# Altium PCB PCB.PcbDoc (part 2 of 3)
Units mm, origin at the board's own origin, x right, y up, seen from the top; angles counter-clockwise.
Board outline 100 x 100 mm, 4 copper layers (Top Layer, GND, Power, Bottom Layer), stack 1.49 mm thick; 258 components, 107 nets, 636 pads, 1174 vias.
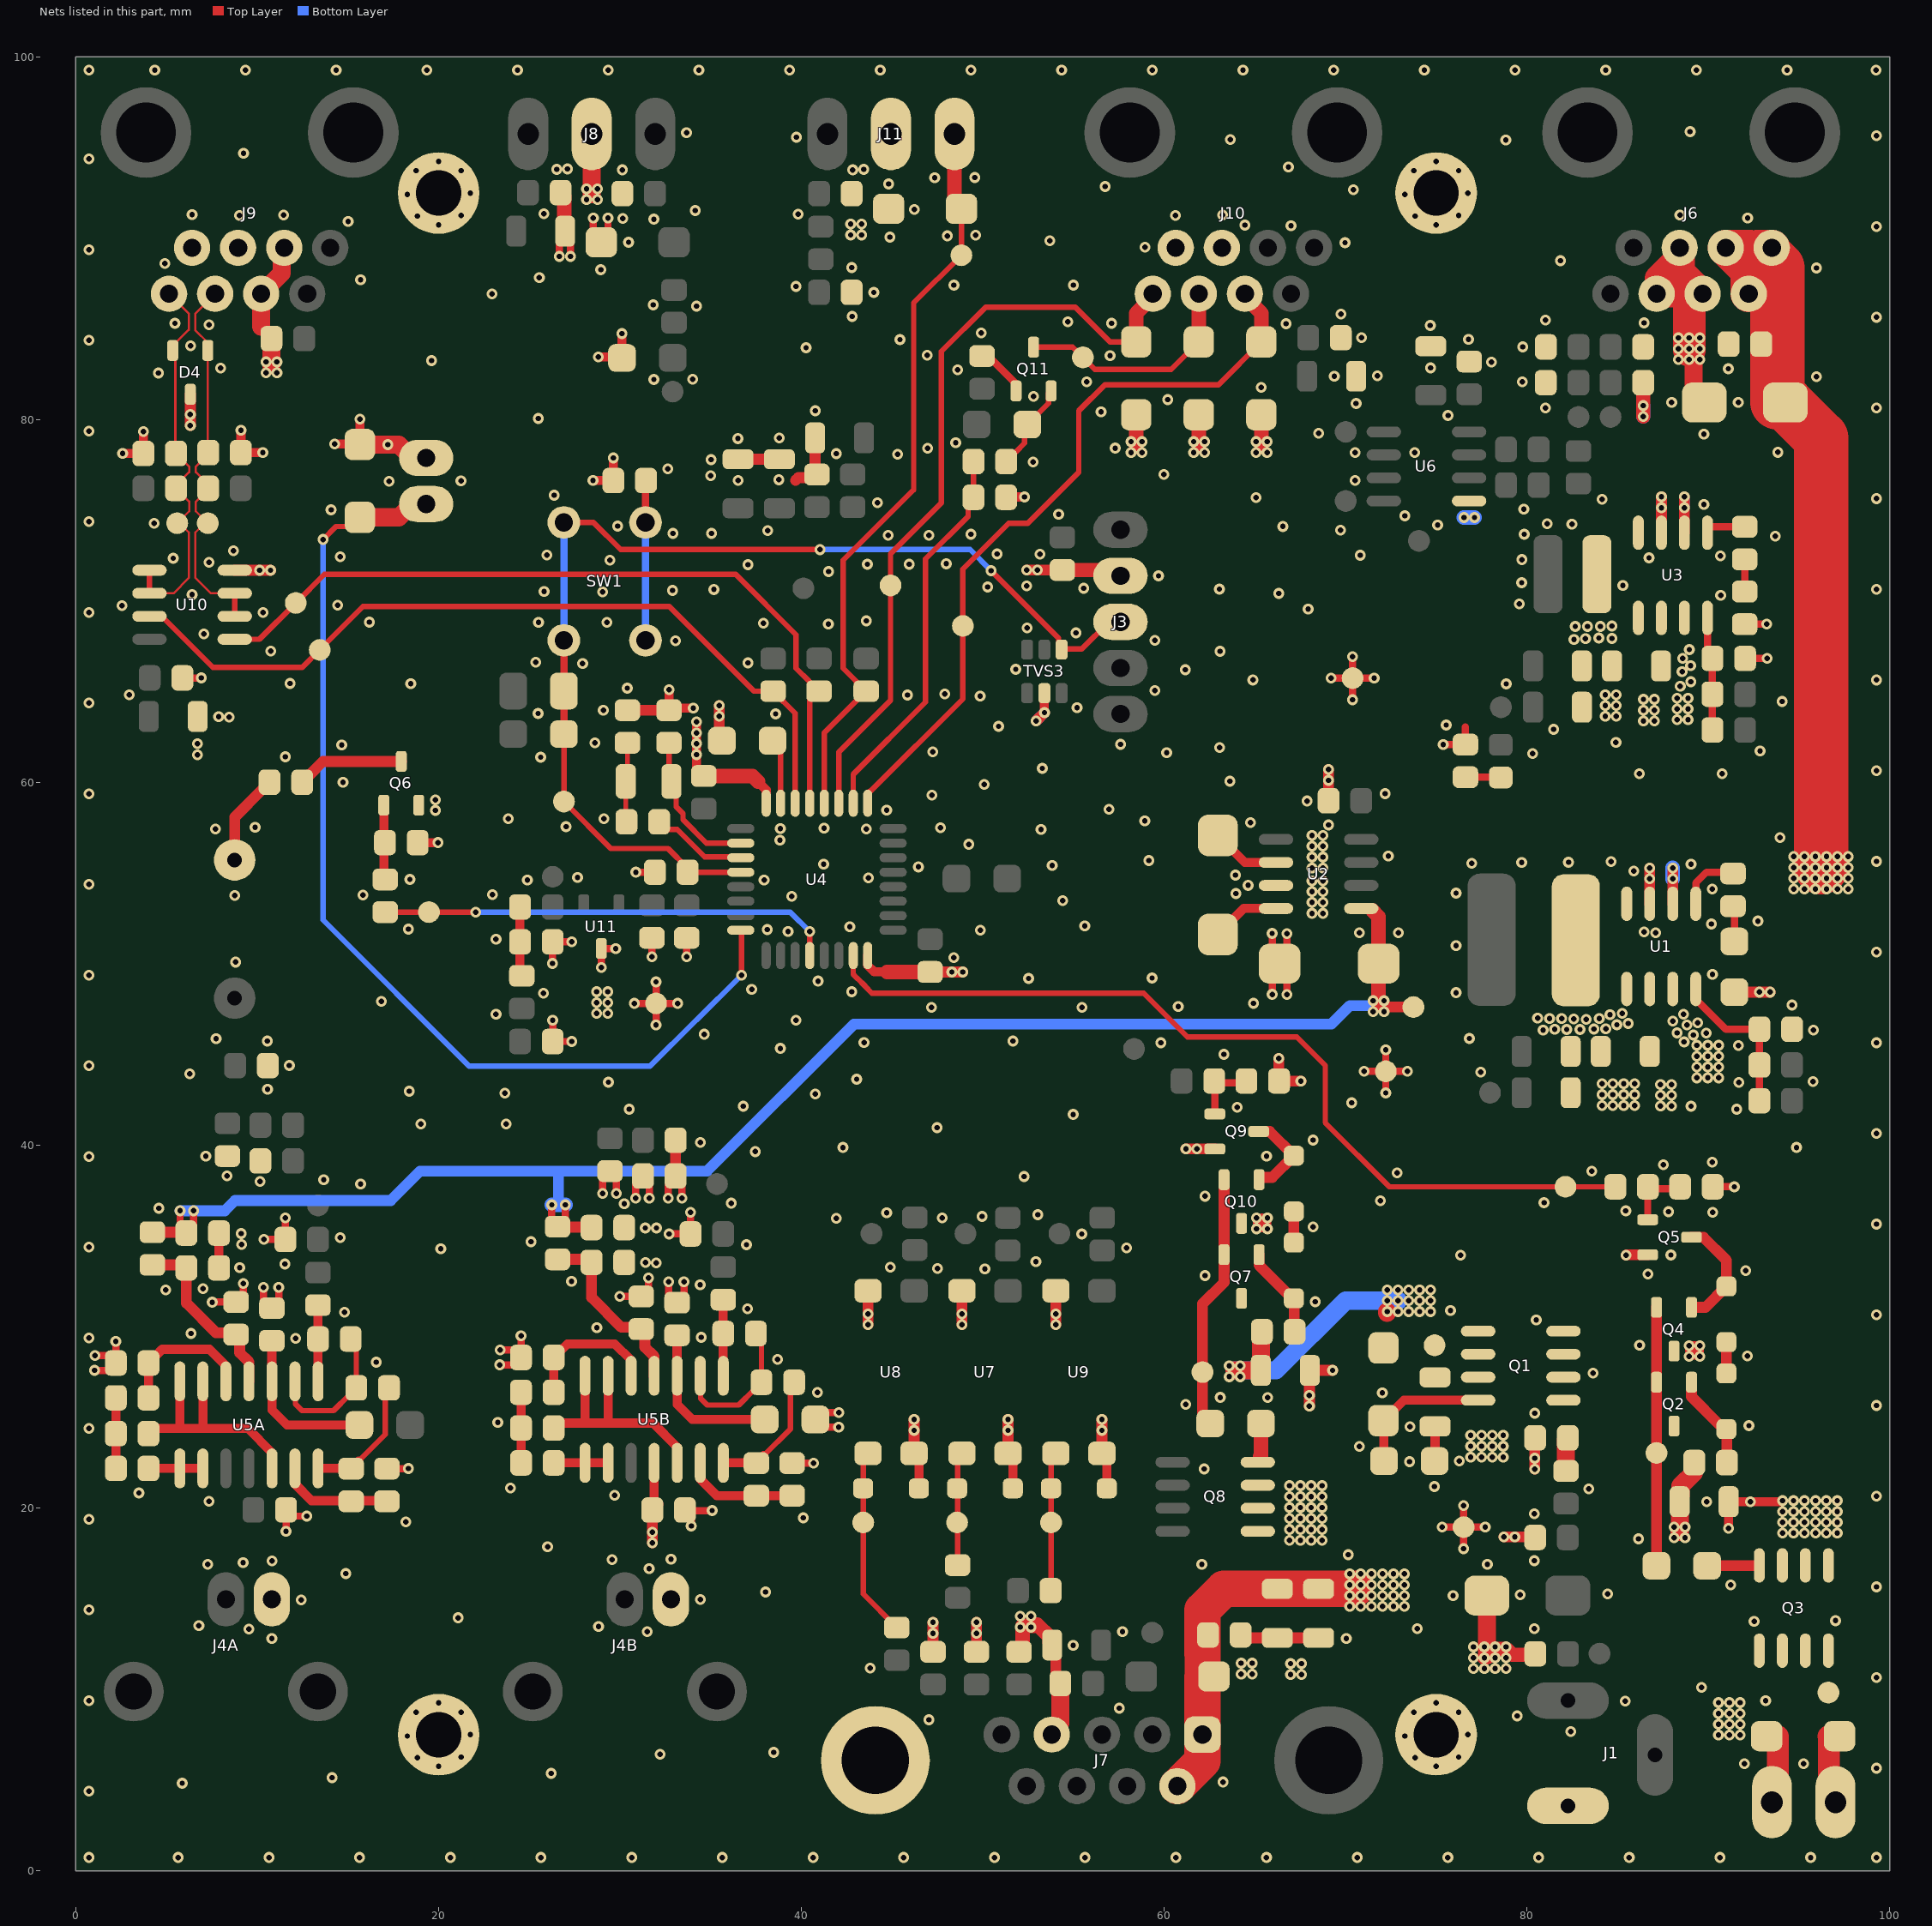
[diagram p4: the nets of this part, all layers, seen from the top]

## Via types
v1: diameter 0.6, hole 0.3, Top Layer to Bottom Layer, tented both sides, 1174 vias

## Nets (pads, with @x,y where several pads share a name; then routed paths per layer and width w, separated by ;. In a path a pad name is that pad's centre, name@x,y a point inside that pad or via, vN(x,y) a via of type N, cw(c..) or ccw(c..) an arc to the next point about the centre after c; other vN are vias at no path point) (continued)
+5V_PHB: C29B.2 C34B.2 L8B.2 R23B.2 U5B.4 | length 10.9
  Top Layer w0.4: v1(32.662,37.075) C34B.2@32.662,38.264 ; v1(33.413,37.075) C34B.2@33.413,38.264 ; R23B.2@40.871,24.458 v1(42.06,24.458) ; R23B.2@40.881,25.266 v1(42.07,25.266)
  Top Layer w0.5: U5B.4@31.884,22.485 31.884,20.445 C29B.2@32.129,20.2
  Top Layer w0.6: v1(31.782,18.067) v1(31.782,18.667) C29B.2@31.782,19.889 ; C34B.2@33.067,38.306 L8B.2@33.067,40.278
+12V: C5.2 C12.2 C36.1 C38.2 C39.2 C40.2 C41.1 C53.2 C55.1 D1.2 D2.2 D3.2 J5.2 J6.1 J6.2 J6.3 J7.1 J7.6 Q1.1 Q1.2 Q1.3 Q2.3 Q7.3 R25.2 R32.2 R36.2 TP2.1 TVS4.1 U1.2 U1.6 U3.2 U3.6 | length 93.3
  Top Layer w0.6: U1.6@88.047,53.313 v1(88.047,54.687) v1(88.047,55.287) ; U3.6@88.689,73.774 v1(88.689,75.149) v1(88.689,75.749)
  Top Layer w0.8: v1(86.416,80.176) v1(86.416,80.776) R32.2@86.416,82.045
  Top Layer w1: 63.878,27.588 63.881,27.584 C41.1@65.329,27.584 ; C41.1@65.335,27.587 65.335,29.659 R36.2@65.394,29.718 ; v1@72.291,30.759 72.299,30.767 v1(72.299,30.829) ; C55.1@88.376,20.269 88.426,20.319 C55.1@88.426,20.345 ; 88.411,18.701 88.439,18.672 88.439,20.331 C55.1@88.426,20.345 ; R25.2@89.232,22.504 89.211,22.483 89.211,21.951 88.476,21.217 88.476,20.695 88.426,20.645 C55.1@88.426,20.345
  Top Layer w1.2: J5.2@93.518,3.78 93.833,4.095 D2.2@93.833,7.418
  Top Layer w2: J7.6@60.732,4.668 62.117,6.053 J7.1@62.117,7.508 62.117,10.687 62.142,10.712 62.126,10.728 62.126,11.968 62.117,11.977 62.117,14.37 63.289,15.542 C39.2@66.244,15.542 C38.2@68.521,15.542 70.546,15.542 ; J6.1@92.695,89.481 J6.1@93.506,89.481 93.506,88.67 93.506,88.211 J6.2@92.236,86.941 92.236,88.211 J6.3@90.966,89.481 92.319,89.481 J6.1@93.034,88.766
  Top Layer w3: J6.1@93.034,88.766 93.41,88.766 93.506,88.67 93.808,88.368 TVS4.1@93.808,80.953 ; TVS4.1@94.257,80.953 96.225,78.984 96.225,55.34
  Bottom Layer w0.6: v1(88.689,75.149) v1(88.689,75.749)
  Bottom Layer w0.8: v1(86.416,80.176) v1(86.416,80.776) ; v1(88.047,54.687) v1(88.047,55.287)
  Bottom Layer w1: 63.881,27.584 66.167,27.584 70.011,31.429 v1(72.299,31.429) v1(72.892,31.429)
  other v1: 90.565,7.477 91.165,7.477 91.765,7.477 90.565,8.077 91.165,8.077 91.765,8.077 90.565,8.67 91.165,8.67 91.765,8.67 90.565,9.27 91.165,9.27 91.765,9.27 70.235,14.57 70.835,14.57 71.435,14.57 72.048,14.57 72.648,14.57 73.248,14.57 70.235,15.17 70.835,15.17 71.435,15.17 72.048,15.17 72.648,15.17 73.248,15.17 70.235,15.764 70.835,15.764 71.435,15.764 72.048,15.764 72.648,15.764 73.248,15.764 70.235,16.364 70.835,16.364 71.435,16.364 72.048,16.364 72.648,16.364 73.248,16.364 88.123,18.352 88.723,18.352 88.123,18.952 88.723,18.952 63.59,27.238 64.19,27.238 63.59,27.838 64.19,27.838 72.892,30.829 73.492,30.829 74.086,30.829 74.686,30.829 73.492,31.429 74.086,31.429 74.686,31.429 72.299,32.029 72.892,32.029 73.492,32.029 74.086,32.029 74.686,32.029 87.37,42.157 87.97,42.157 87.37,42.751 87.97,42.751 87.37,43.351 87.97,43.351 94.711,54.121 95.311,54.121 95.911,54.121 96.524,54.121 97.124,54.121 97.724,54.121 94.711,54.721 95.311,54.721 95.911,54.721 96.524,54.721 97.124,54.721 97.724,54.721 94.711,55.314 95.311,55.314 95.911,55.314 96.524,55.314 97.124,55.314 97.724,55.314 94.711,55.914 95.311,55.914 95.911,55.914 96.524,55.914 97.124,55.914 97.724,55.914 86.431,63.392 87.031,63.392 86.431,63.985 87.031,63.985 86.431,64.585 87.031,64.585
-5V: C10.2 C28A.2 C28B.2 L7A.2 L7B.2 TP9.1 U2.5 | length 89.3
  Top Layer w0.4: C28A.2@5.747,35.199 5.747,35.204 v1(5.747,36.388) ; C28A.2@6.498,35.199 v1(6.498,36.388) ; L7B.2@26.239,35.526 v1(26.239,36.715) ; L7B.2@26.99,35.526 v1(26.99,36.715)
  Top Layer w0.6: L7A.2@4.219,35.204 5.747,35.204 6.045,35.204 C28A.2@6.093,35.156 C28A.2@6.137,35.2 ; L7B.2@26.56,35.509 26.585,35.484 28.411,35.484 C28B.2@28.433,35.461 ; 71.829,47.764 71.974,47.618 TP9.1@73.746,47.618
  Top Layer w0.8: U2.5@71.479,52.952 71.829,52.603 C10.2@71.829,50.012 71.829,47.764
  Bottom Layer w0.6: v1(5.747,36.388) v1(6.498,36.388) 8.211,36.388 8.773,36.95 17.358,36.95 18.984,38.576 26.629,38.576 ; 26.604,36.715 26.604,38.55 26.629,38.576 ; 71.816,47.694 70.241,47.694 69.225,46.678 42.911,46.678 34.808,38.576 26.629,38.576
  Bottom Layer w0.8: v1(26.239,36.715) 26.604,36.715 v1(26.99,36.715)
  other v1: 71.526,47.368 72.126,47.368 71.526,47.968 72.126,47.968
-5V_PHA: C33A.2 C62A.2 L7A.1 U5A.11 | length 10.2
  Top Layer w0.6: L7A.1@4.219,33.404 5.924,33.404 C62A.2@6.093,33.236 6.093,31.3 7.736,29.657 8.734,29.657 C33A.2@8.834,29.557 9.034,29.357 9.034,28.561 9.543,28.052 U5A.11@9.543,26.98
-5V_PHB: C33B.2 C62B.2 L7B.1 U5B.11 | length 10.2
  Top Layer w0.6: L7B.1@26.56,33.709 28.265,33.709 C62B.2@28.433,33.54 28.433,31.604 30.076,29.961 31.075,29.961 C33B.2@31.174,29.862 31.375,29.661 31.375,28.866 31.884,28.357 U5B.11@31.884,27.285
AC_SIG03V: C64.1 R55.2 U4.26 | length 22.7
  Top Layer w0.3: U4.26@42.861,58.855 42.861,60.451 46.848,64.438 46.848,72.324 49.197,74.673 C64.1@49.197,75.849 ; C64.1@49.49,75.722 C64.1@49.28,75.932 ; C64.1@49.493,75.726 C64.1@49.493,76.145 ; R55.2@49.493,77.694 C64.1@49.493,76.145 ; C64.1@49.555,76.207 C64.1@49.493,76.145 ; C64.1@49.197,75.849 C64.1@49.28,75.932 ; C64.1@49.197,75.849 49.197,76.015 C64.1@49.28,75.932 ; C64.1@49.28,75.932 C64.1@49.493,76.145
AC_SIG05V: J10.6 Q11.3 TP34.1 TVS8.2 | length 12.9
  Top Layer w0.3: Q11.3@52.805,84.003 54.958,84.003 55.778,83.183 56.19,82.772 60.388,82.772 TVS8.2@61.91,84.294
  Top Layer w0.8: TVS8.2@61.91,84.294 61.91,86.935 J10.6@61.916,86.941
BOOT0: R14.2 U4.31 | length 3.6
  Top Layer w0.3: R14.2@38.41,62.304 38.861,61.852 U4.31@38.861,58.855
BUZZER: R29.1 TP19.1 U4.12 | length 25.2
  Top Layer w0.3: R29.1@17.043,52.84 R29.1@17.057,52.854 ; R29.1@17.06,52.851 R29.1@17.057,52.854 ; v1(22.039,52.854) TP19.1@19.467,52.854 R29.1@17.057,52.854 ; U4.12@40.461,50.455 v1(40.461,51.781)
  Bottom Layer w0.3: v1(22.039,52.854) 39.388,52.854 v1(40.461,51.781)
CAP+: C9.1 U2.2 | length 3.8
  Top Layer w0.5: C9.1@62.962,57.08 64.448,55.594 U2.2@66.169,55.594
CAP-: C9.2 U2.4 | length 3.8
  Top Layer w0.5: C9.2@62.962,51.619 64.397,53.054 U2.4@66.169,53.054
DEBUG: J2.1 TVS2.2 U4.8 | length 58.4
  Top Layer w0.3: v1(13.625,73.399) 14.336,74.11 15.155,74.11 TVS2.2@15.662,74.618 ; v1(36.695,49.371) U4.8@36.695,51.855
  Top Layer w1: TVS2.2@15.662,74.618 17.807,74.618 18.544,75.355 J2.1@19.314,75.355
  Bottom Layer w0.3: v1(13.625,73.399) 13.625,52.419 21.676,44.367 31.658,44.367 v1(36.695,49.371)
FAN12_OUT: D2.1 J5.1 Q3.5 Q3.6 Q3.7 Q3.8 TP16.1 | length 3.8
  Top Layer w1.2: D2.1@96.627,7.418 96.657,7.388 96.657,5.311 97.017,4.95 J5.1@97.017,3.78
FAN_12V: R28.1 TP18.1 U4.15 | length 49.8
  Top Layer w0.3: U4.15@42.861,50.455 42.861,49.42 43.068,49.213 43.084,49.213 43.524,48.774 43.524,48.758 43.895,48.387 58.877,48.387 61.292,45.972 67.314,45.972 68.885,44.4 68.885,41.25 72.425,37.709 TP18.1@82.128,37.709 R28.1@84.876,37.709
FAN_230V: J10.8 TP36.1 TVS6.2 U4.27 | length 42.8
  Top Layer w0.3: U4.27@42.061,58.855 42.061,61.679 44.917,64.535 TP36.1@44.917,70.866 44.917,72.603 47.727,75.413 47.727,83.769 50.165,86.208 55.108,86.208 57.022,84.294 TVS6.2@58.46,84.294
  Top Layer w0.8: TVS6.2@58.46,84.294 58.46,85.873 59.376,86.788 J10.8@59.376,86.941
FB_3V3: C1.1 R1.1 R2.2 U1.4 | length 8.9
  Top Layer w0.4: U1.4@89.317,48.613 89.317,48.05 90.971,46.396 R2.2@92.823,46.396 ; C1.1@92.82,42.453 R1.1@92.82,44.424 92.82,46.392 R2.2@92.823,46.396 ; R2.2@92.823,46.55 R2.2@92.823,46.396
FB_5V: C11.1 R5.1 R6.2 U3.4 | length 6.3
  Top Layer w0.4: U3.4@89.959,69.074 89.959,67.116 R6.2@90.237,66.838 90.233,66.835 R5.1@90.233,64.866 C11.1@90.233,62.895
GND: C2.1 C3.1 C4.1 C5.1 C7.1 C8.1 C10.1 C12.1 C14.1 C15.1 C16.1 C17.1 C18.1 C19.1 C20.1 C21.1 C22.1 C23.1 C24.1 C25.1 C26.1 C27.2 C28A.1 C28B.1 C29A.1 C29B.1 C31A.1 C31B.1 C32A.1 C32B.1 C33A.1 C33B.1 C34A.1 C34B.1 C35.1 C36.2 C37.2 C38.1 C39.1 C40.1 C41.2 C42.1 C43.1 C44.1 C45.1 C46.1 C47.1 C48.1 C49.2 C50.1 C51.1 C52.1 C53.1 C54.1 C55.2 C56.2 C57.2 C58.1 C59.1 C60.1 C61.1 C62A.1 C62B.1 C63A.1 C63B.1 C64.2 D4.3 D11.1 D12.1 D13.1 J1.2 J2.2 J3.2 J4A.2 J4B.2 J6.4 J6.5 J6.6 J7.4 J7.11 J8.2 J9.3 J9.4 J9.5 J9.7 J10.5 J10.7 J11.2 MH1.MH MH2.MH MH3.MH MH4.MH Q3.1 Q3.2 Q3.3 Q4.3 Q5.2 Q6.2 Q8.1 Q8.2 Q8.3 Q9.2 Q10.3 R2.1 R3.1 R4.1 R6.1 R7.1 R14.1 R15A.1 R15B.1 R22A.1 R22B.1 R30.1 R31.1 R34.1 R39.1 R46.1 R51.1 R52.2 TP4.1 TP6.1 TP7.1 TP8.1 TVS1.1 TVS2.1 TVS3.2 TVS4.2 TVS5.1 TVS6.1 TVS7.1 TVS8.1 TVS9.1 U1.1 U1.3 U1.7 U2.3 U3.1 U3.3 U3.7 U4.16 U4.32 U6.5 U7.2 U7.4 U8.2 U8.4 U9.2 U9.4 U10.4 U11.3 VR1.2 VR2.2 VR3.2 VR4.2 VR5.2 | length 232.5
  Top Layer w0.4: v1(1.027,27.587) C32A.1@2.216,27.587 ; v1(1.052,28.412) C32A.1@2.203,28.412 ; C32A.1@2.203,27.994 C32A.1@2.203,28.412 ; v1(2.203,29.183) C32A.1@2.203,28.412 ; C32A.1@2.241,28.412 C32A.1@2.203,28.412 ; C47.1@5.873,65.765 v1(6.922,65.765) ; v1@7.645,31.357 C33A.1@8.834,31.357 ; C33A.1@9.23,31.184 v1(9.23,32.373) ; R22A.1@10.348,30.981 v1(10.348,32.17) ; v1(10.361,34.804) C31A.1@11.55,34.804 v1(11.55,35.993) ; R22A.1@11.186,30.981 v1(11.186,32.17) ; C29A.1@11.55,19.551 C29A.1@11.588,19.551 ; v1(11.588,18.706) C29A.1@11.588,19.551 ; C29A.1@11.588,19.895 C29A.1@11.588,19.551 ; v1(12.739,19.551) C29A.1@11.588,19.551 ; R15A.1@17.151,22.172 v1(18.34,22.172) ; v1(23.368,27.892) C32B.1@24.557,27.892 ; v1(23.393,28.717) C32B.1@24.544,28.717 ; C32B.1@24.544,28.298 C32B.1@24.544,28.717 ; v1(24.544,29.487) C32B.1@24.544,28.717 ; C32B.1@24.582,28.717 C32B.1@24.544,28.717 ; v1(26.274,50.023) C22.1@26.274,51.073 ; C21.1@26.291,45.721 v1(27.34,45.721) ; C21.1@26.291,45.84 v1(26.291,46.889) ; C22.1@26.291,51.213 v1(27.34,51.213) ; v1(26.663,89.007) C44.1@26.663,90.196 ; v1(27.264,89.007) C44.1@27.264,89.927 ; TVS5.1@28.531,89.937 v1(28.531,91.126) ; v1(28.973,49.799) U11.3@28.973,50.844 ; U11.3@28.973,50.848 U11.3@28.973,50.844 ; v1(29.042,37.344) C63B.1@29.042,38.533 ; TVS5.1@29.339,89.927 v1(29.339,91.116) ; v1(29.761,50.844) U11.3@28.973,50.844 ; v1(29.793,37.344) C63B.1@29.793,38.533 ; v1(29.985,31.662) C33B.1@31.174,31.662 ; v1(30.8,47.821) TP6.1@31.989,47.821 ; v1(30.862,37.075) C34B.1@30.862,38.264 ; v1(30.877,55.055) C20.1@31.926,55.055 ; C33B.1@31.571,31.489 v1(31.571,32.678) ; v1(31.613,37.075) C34B.1@31.613,38.264 ; v1(31.758,50.383) C23.1@31.758,51.432 ; v1(31.989,46.632) TP6.1@31.989,47.821 ; v1(31.989,49.01) TP6.1@31.989,47.821 ; R22B.1@32.689,31.286 v1(32.689,32.475) ; v1(32.702,35.109) C31B.1@33.891,35.109 v1(33.891,36.298) ; v1(33.178,47.821) TP6.1@31.989,47.821 ; R22B.1@33.527,31.286 v1(33.527,32.475) ; v1(33.679,50.383) C24.1@33.679,51.432 ; v1(33.929,19.011) 33.929,19.856 v1(35.08,19.856) ; R15B.1@39.491,22.477 v1(40.68,22.477) ; C10.1@65.958,50.492 v1(65.958,51.681) ; v1(65.961,48.317) C10.1@65.961,49.506 ; C10.1@66.766,50.482 v1(66.766,51.671) ; v1(66.769,48.308) C10.1@66.769,49.497 ; v1(69.205,65.754) TP8.1@70.394,65.754 ; v1(70.394,64.565) TP8.1@70.394,65.754 ; v1(70.394,66.943) TP8.1@70.394,65.754 ; v1(71.033,44.077) TP4.1@72.222,44.077 ; v1(71.583,65.754) TP8.1@70.394,65.754 ; v1(72.222,42.888) TP4.1@72.222,44.077 ; v1(72.222,45.266) TP4.1@72.222,44.077 ; v1(73.411,44.077) TP4.1@72.222,44.077 ; v1(75.326,18.942) TP7.1@76.515,18.942 ; v1(75.39,62.092) R51.1@76.439,62.092 ; v1(76.515,17.753) TP7.1@76.515,18.942 ; v1(76.515,20.131) TP7.1@76.515,18.942 ; 76.617,63.061 76.618,63.06 R51.1@76.618,62.092 R51.1@76.618,62.092 ; v1(77.704,18.942) TP7.1@76.515,18.942 ; R30.1@90.251,37.709 v1(91.44,37.709) ; R7.1@92.019,68.735 v1(93.228,68.735) ; R6.1@92.037,66.838 92.045,66.846 v1(93.254,66.846)
  Top Layer w0.5: v1(2.576,78.14) 3.668,78.14 3.723,78.195 v1(3.723,79.35) ; C62A.1@7.893,33.236 C28A.1@7.893,35.156 ; v1(9.102,79.426) 9.102,78.247 9.097,78.242 9.152,78.187 v1(10.307,78.187) ; v1(14.265,78.657) 15.637,78.657 TVS2.1@15.662,78.632 v1(15.662,80.029) ; R31.1@18.843,56.686 v1(19.971,56.686) ; v1(28.509,76.648) R52.2@29.635,76.648 ; v1(28.814,83.458) 30.064,83.458 30.11,83.412 30.104,83.418 v1(30.104,84.753) ; R52.2@29.635,76.648 v1(29.635,77.895) ; C25.1@32.702,63.988 v1(32.702,65.116) ; C25.1@32.702,64.099 v1(34.046,64.099) ; v1(34.224,63.341) v1(34.224,62.731) v1(34.224,62.147) v1(34.224,61.537) 34.224,60.704 34.57,60.357 C18.1@34.623,60.357 ; 37.61,60.046 38.061,59.595 U4.32@38.061,58.855 ; U4.16@43.661,50.455 43.661,49.912 44.018,49.555 44.737,49.555 ; U8.2@46.214,23.008 46.481,22.742 D12.1@46.481,21.082 ; C64.2@51.29,75.722 51.31,75.743 v1(52.305,75.743) ; U7.2@51.394,23.008 51.661,22.742 D11.1@51.661,21.082 ; v1(53.401,63.852) TVS3.2@53.401,64.926 ; U9.2@56.574,23.008 56.841,22.742 D13.1@56.841,21.082 ; R3.1@74.915,22.589 74.94,22.615 C5.1@74.94,24.5 ; v1(91.123,18.872) 91.123,20.342 C55.2@91.126,20.345 v1(92.329,20.345) 94.04,20.345 v1(94.1,20.405)
  Top Layer w0.6: v1(6.309,79.687) v1(6.309,80.287) D4.3@6.309,81.407 ; U10.4@8.761,71.704 v1(10.135,71.704) v1(10.735,71.704) ; C26.1@30.411,63.988 C25.1@32.702,63.988 ; v1(35.469,64.248) v1(35.469,63.648) 35.469,62.629 R14.1@35.794,62.304 ; C17.1@36.512,77.823 C57.2@38.788,77.823 ; 39.68,76.657 39.834,76.811 40.692,76.811 C16.1@40.861,76.981 40.756,77.086 C15.1@40.756,79.003 ; v1(43.674,30.104) v1(43.674,30.704) U8.4@43.674,31.978 ; U8.2@46.214,23.008 v1(46.214,24.283) v1(46.214,24.883) ; C19.1@47.178,49.549 v1(48.298,49.549) v1(48.898,49.549) ; VR4.2@47.259,12.072 v1(47.259,13.093) v1(47.259,13.693) ; v1(48.854,30.104) v1(48.854,30.704) U7.4@48.854,31.978 ; VR5.2@49.651,12.072 v1(49.651,13.093) v1(49.651,13.693) ; U7.2@51.394,23.008 v1(51.394,24.283) v1(51.394,24.883) ; v1(52.417,71.715) v1(53.017,71.715) C27.2@54.392,71.715 ; v1(52.944,63.394) v1(53.401,63.852) ; C56.2@54.034,11.878 54.034,10.567 C42.1@54.279,10.323 ; v1(54.034,30.104) v1(54.034,30.704) U9.4@54.034,31.978 ; U9.2@56.574,23.008 v1(56.574,24.283) v1(56.574,24.883) ; v1(61.204,39.794) v1(61.804,39.794) Q9.2@62.798,39.794 ; C40.1@64.222,12.998 64.378,12.842 C39.1@66.244,12.842 C38.1@68.521,12.842 ; v1(66.329,44.791) R39.1@66.329,43.533 ; R39.1@66.34,43.544 R39.1@66.329,43.533 ; v1(67.544,43.533) R39.1@66.329,43.533 ; v1(68.01,25.613) v1(68.01,26.213) 68.01,27.587 v1(69.291,27.587) ; C8.1@69.069,58.997 v1(69.069,60.118) v1(69.069,60.718) ; v1(78.736,18.398) v1(79.336,18.398) C3.1@80.456,18.398 ; v1(80.429,22.143) v1(80.429,22.743) C4.1@80.429,23.863 ; v1(85.471,33.932) 85.498,33.96 Q5.2@86.665,33.96 ; U1.7@86.777,53.313 v1(86.777,54.687) v1(86.777,55.287) ; U3.7@87.419,73.774 v1(87.419,75.149) v1(87.419,75.749) ; R4.1@91.445,48.444 v1(92.82,48.444) v1(93.42,48.444)
  Top Layer w0.8: C43.1@26.726,92.521 26.926,92.321 26.926,90.445 C44.1@26.974,90.397 ; C18.1@34.623,60.357 37.298,60.357 37.61,60.046 ; 44.737,49.555 C19.1@47.098,49.555 ; VR3.2@52.004,12.072 52.007,12.072 52.207,12.272 52.207,13.506 52.928,13.506 52.999,13.577 53.679,12.898 53.679,12.589 C56.2@53.829,12.439 ; C27.2@54.392,71.715 56.452,71.715 56.772,71.394 J3.2@57.597,71.394 ; 58.46,78.497 TVS6.1@58.46,80.28 ; 61.91,78.497 TVS8.1@61.91,80.28 ; 65.36,78.497 TVS7.1@65.36,80.28 ; v1(77.658,11.744) 77.792,11.878 78.15,12.236 78.852,12.236 79.182,11.906 80.416,11.906 C2.1@80.467,11.957
  Top Layer w1: 10.216,85.144 J9.4@10.216,86.941 11.353,88.078 11.353,89.348 J9.3@11.486,89.481 ; 10.786,83 C46.1@10.786,84.474 ; TVS2.1@15.662,78.632 17.807,78.632 18.544,77.895 J2.2@19.314,77.895 ; 28.441,92.443 J8.2@28.441,95.756 ; J7.4@53.807,7.508 53.807,7.651 54.279,8.123 C42.1@54.279,10.323 ; C56.2@53.829,12.139 C56.2@53.829,12.439 ; 65.387,35.74 65.415,35.712 ; v1@77.792,11.878 TVS1.1@77.792,15.17 ; 89.19,83.609 89.19,81.549 TVS4.2@89.787,80.953 ; 89.23,28.702 89.259,28.673
  Top Layer w1.5: J6.5@88.402,88.817 88.285,88.817 87.252,87.784 87.252,87.037 J6.6@87.156,86.941 J6.4@89.696,86.941 89.696,86.985 88.522,88.159 88.522,89.386 J6.5@88.426,89.481
  Top Layer w1.8: v1@88.961,83.839 88.961,86.15
  Bottom Layer w0.6: v1(52.944,63.394) v1(53.401,63.852)
  Bottom Layer w0.8: v1(76.532,74.607) v1(77.116,74.607)
  other v1: 0.721,0.73 5.645,0.73 10.645,0.73 15.645,0.73 20.645,0.73 25.645,0.73 30.645,0.73 35.645,0.73 40.645,0.73 45.645,0.73 50.645,0.73 55.645,0.73 60.645,0.73 65.645,0.73 70.645,0.73 75.645,0.73 80.645,0.73 85.645,0.73 90.645,0.73 95.645,0.73 99.274,0.73 0.721,4.38 5.867,4.826 63.255,4.891 14.122,5.131 26.213,5.369 99.274,5.654 20,5.75 75,5.75 91.999,5.903 95.266,5.893 18.833,6.227 73.833,6.227 21.237,6.263 76.237,6.263 32.214,6.426 38.481,6.528 18.275,7.425 73.275,7.425 21.75,7.5 76.75,7.5 82.417,7.671 47.028,8.323 79.462,8.539 18.763,8.737 21.237,8.737 73.763,8.737 76.237,8.737 57.531,8.959 20,9.25 75,9.25 85.42,9.347 0.721,9.38 93.167,9.373 89.637,10.109 99.274,10.654 66.974,10.823 67.574,10.823 64.251,10.846 64.851,10.846 77.058,11.144 77.658,11.144 78.252,11.144 78.852,11.144 43.79,11.176 66.974,11.423 67.574,11.423 64.251,11.446 64.851,11.446 77.058,11.744 78.252,11.744 78.852,11.744 77.058,12.344 77.658,12.344 78.252,12.344 78.852,12.344 54.991,12.419 10.805,12.802 70.049,12.802 31.496,13.183 57.709,13.183 9.543,13.323 73.965,13.341 80.416,13.341 52.064,13.43 52.664,13.43 28.822,13.462 6.782,13.513 92.532,13.741 97.017,13.787 21.082,13.945 52.064,14.03 52.664,14.03 0.721,14.38 12.421,14.935 34.439,14.959 75.93,15.17 79.629,15.208 84.453,15.265 38.028,15.367 99.274,15.654 91.237,15.764 14.884,16.386 31.606,16.662 77.826,16.885 7.264,16.891 62.078,16.891 9.22,16.993 10.813,17.084 80.416,17.094 29.566,17.145 32.817,17.172 70.155,17.424 26.01,17.856 66.914,18.215 67.514,18.215 68.108,18.215 68.708,18.215 86.157,18.3 94.1,18.611 94.7,18.611 95.3,18.611 95.913,18.611 96.513,18.611 97.113,18.611 66.914,18.815 67.514,18.815 68.108,18.815 68.708,18.815 94.1,19.211 94.7,19.211 95.3,19.211 95.913,19.211 96.513,19.211 97.113,19.211 18.186,19.228 0.721,19.38 66.914,19.415 67.514,19.415 68.108,19.415 68.708,19.415 40.107,19.456 80.416,19.685 94.1,19.805 94.7,19.805 95.3,19.805 95.913,19.805 96.513,19.805 97.113,19.805 66.914,20.028 67.514,20.028 68.108,20.028 68.708,20.028 89.916,20.345 7.34,20.372 94.7,20.405 95.3,20.405 95.913,20.405 96.513,20.405 97.113,20.405 66.914,20.628 67.514,20.628 68.108,20.628 68.708,20.628 99.274,20.654 29.699,20.701 3.48,20.828 83.414,21.052 23.956,21.107 74.905,21.184 66.914,21.228 67.514,21.228 68.108,21.228 68.708,21.228 62.205,22.149 73.533,22.555 76.276,22.589 76.906,22.802 77.506,22.802 78.099,22.802 78.699,22.802 70.764,23.393 76.906,23.402 77.506,23.402 78.099,23.402 78.699,23.402 76.906,24.002 77.506,24.002 78.099,24.002 78.699,24.002 0.721,24.38 73.558,24.484 92.245,24.536 23.266,24.714 80.442,25.222 99.274,25.654 61.189,25.706 63.097,26.096 65.709,26.086 72.034,26.355 40.881,26.365 83.644,27.432 16.561,28.042 38.684,28.194 88.942,28.353 89.542,28.353 92.165,28.375 88.942,28.953 89.542,28.953 86.219,28.975 12.122,29.357 0.721,29.38 34.475,29.413 6.35,29.621 28.727,29.947 80.518,30.373 99.274,30.654 14.808,30.789 75.794,30.886 37.031,30.988 7.522,31.344 68.326,31.368 4.953,32.029 7.015,32.097 34.425,32.309 27.33,32.492 62.255,32.817 86.675,32.893 92.068,33.079 50.121,33.174 47.509,33.198 9.034,33.249 44.907,33.274 11.532,33.452 32.004,33.516 31.409,33.528 52.928,33.579 76.352,33.932 87.945,33.945 20.117,34.29 57.937,34.341 0.721,34.38 9.144,34.522 36.976,34.519 25.095,34.682 14.58,34.9 55.458,35.105 9.119,35.128 65.099,35.391 65.699,35.391 31.394,35.438 32.008,35.438 68.219,35.49 99.274,35.654 41.928,35.966 47.759,35.991 65.099,35.991 65.699,35.991 49.962,36.074 53.042,36.17 44.704,36.271 90.251,36.305 87.818,36.333 85.456,36.383 4.572,36.525 30.233,36.779 36.133,36.805 80.949,36.83 71.933,36.932 62.255,37.192 15.697,37.865 10.16,37.998 13.665,38.099 52.287,38.278 8.331,38.303 72.847,38.481 83.577,38.576 87.523,38.923 90.221,39.065 0.721,39.38 7.163,39.404 65.651,39.404 37.456,39.649 42.291,39.878 94.869,39.878 34.439,40.157 68.219,40.281 99.274,40.654 47.482,40.97 23.724,41.166 19.025,41.173 54.985,41.698 30.515,41.986 91.567,41.988 64.033,42.096 36.803,42.154 89.052,42.154 84.145,42.192 84.745,42.192 85.338,42.192 85.938,42.192 70.343,42.342 84.145,42.792 84.745,42.792 85.338,42.792 85.938,42.792 40.771,42.824 23.647,42.875 18.382,42.977 10.566,43.078 84.145,43.392 84.745,43.392 85.338,43.392 85.938,43.392 29.362,43.473 91.695,43.459 95.783,43.518 43.053,43.637 89.377,43.716 89.977,43.716 90.577,43.716 6.274,43.942 77.453,44.028 89.377,44.316 89.977,44.316 90.577,44.316 0.721,44.38 11.77,44.399 89.377,44.91 89.977,44.91 90.577,44.91 63.299,45.009 38.84,45.339 89.377,45.51 89.977,45.51 90.577,45.51 91.669,45.491 59.817,45.647 99.274,45.654 43.456,45.669 88.671,45.695 10.555,45.745 51.664,45.745 7.731,45.872 76.835,45.886 89.177,46.076 34.646,46.119 88.291,46.191 89.892,46.177 80.899,46.343 95.809,46.343 81.534,46.392 82.195,46.38 82.931,46.38 83.693,46.406 84.353,46.417 84.963,46.646 88.824,46.634 85.584,46.711 89.423,46.747 88.048,46.85 39.7,46.888 83.277,46.939 82.593,46.965 80.594,47.006 81.255,46.99 81.918,46.99 83.998,46.99 84.582,47.193 23.165,47.219 88.646,47.225 28.712,47.263 29.322,47.263 85.257,47.263 47.18,47.6 55.474,47.6 60.782,47.65 94.623,47.729 64.927,47.828 28.712,47.863 29.322,47.863 16.84,47.93 25.781,48.387 76.101,48.412 28.712,48.463 29.322,48.463 42.774,48.463 37.262,48.59 40.919,49.051 52.527,49.2 59.334,49.22 0.721,49.38 90.237,49.417 8.814,50.099 48.397,50.343 99.274,50.654 76.098,51.003 23.165,51.359 70.764,51.714 72.923,51.714 87.097,51.714 39.268,51.781 86.472,51.765 49.864,51.855 38.125,51.892 18.334,51.918 42.673,52.045 55.626,52.095 90.17,52.199 92.739,52.36 68.158,52.785 68.758,52.785 68.158,53.385 68.758,53.385 54.407,53.486 39.472,53.721 8.763,53.772 15.824,53.793 22.967,53.823 63.956,53.873 76.098,53.899 68.158,53.979 68.758,53.979 90.221,54.127 64.63,54.331 0.721,54.38 68.158,54.579 68.758,54.579 24.892,54.629 37.948,54.629 18.417,54.654 43.704,54.739 27.661,54.762 63.93,54.894 85.899,55.118 68.158,55.289 68.758,55.289 46.457,55.347 53.831,55.432 41.227,55.499 89.053,55.499 76.962,55.55 79.717,55.594 82.296,55.601 84.643,55.642 99.274,55.654 59.157,55.695 68.158,55.889 68.758,55.889 72.365,55.949 68.158,56.483 68.758,56.483 49.225,56.591 38.817,56.813 93.955,56.965 68.158,57.083 68.758,57.083 53.212,57.404 7.696,57.429 43.579,57.429 38.84,57.455 41.25,57.476 47.676,57.506 9.881,57.531 27.026,57.562 69.069,57.658 64.77,57.794 58.936,57.887 23.837,58.007 29.108,58.007 19.822,58.464 44.704,58.471 56.955,58.522 67.886,58.979 19.822,59.048 47.193,59.309 0.721,59.38 72.181,59.385 50.089,59.899 14.732,60.013 63.627,60.071 86.199,60.477 90.767,60.477 99.274,60.654 53.289,60.782 25.629,61.392 11.555,61.417 6.702,61.526 80.315,61.595 60.143,61.646 47.244,61.697 92.862,61.741 63.057,61.925 14.656,62.069 57.597,62.103 6.702,62.135 28.615,62.188 84.912,62.205 81.483,62.934 50.876,63.094 75.554,63.17 88.29,63.458 88.89,63.458 8.458,63.608 7.874,63.634 84.322,63.646 84.922,63.646 38.583,63.779 25.486,63.805 29.083,63.988 88.29,64.052 88.89,64.052 55.201,64.126 84.322,64.239 84.922,64.239 0.721,64.38 94.082,64.466 88.29,64.652 88.89,64.652 49.86,64.763 2.946,64.834 45.847,64.821 84.322,64.839 84.922,64.839 47.912,64.888 59.487,65.075 30.404,65.202 88.458,65.31 78.867,65.437 11.811,65.463 18.466,65.456 89.04,65.557 64.897,65.654 99.274,65.654 88.561,66.116 61.163,66.216 51.817,66.243 89.027,66.446 27.939,66.562 37.059,66.597 25.349,66.627 88.593,66.838 10.75,67.239 63.085,67.234 88.961,67.327 33.067,67.808 59.497,67.843 82.601,67.884 83.234,67.927 83.972,67.964 84.697,67.945 7.061,68.187 55.136,68.25 52.451,68.529 82.667,68.605 83.344,68.605 84.049,68.605 84.697,68.631 41.491,68.735 37.901,68.783 16.18,68.841 25.512,68.834 29.283,68.834 43.586,68.91 0.721,69.38 10.319,69.374 67.945,69.567 2.54,69.748 14.427,69.781 79.578,69.85 90.688,70.319 6.411,70.358 66.319,70.427 29.042,70.51 25.815,70.536 32.893,70.593 35.179,70.642 99.274,70.654 63.051,70.663 55.56,70.707 50.279,70.778 52.417,70.841 85.293,70.866 79.717,71.018 59.69,71.394 41.504,71.628 37.059,72.009 43.637,72.034 45.939,72.034 47.991,72.06 7.341,72.136 29.448,72.263 79.731,72.288 5.365,72.365 86.733,72.39 14.58,72.441 90.666,72.492 70.815,72.53 25.966,72.542 53.162,72.581 50.796,72.598 8.687,72.778 93.701,73.584 44.78,73.635 47.028,73.635 49.35,73.685 79.858,73.685 32.918,73.736 35.052,73.736 38.151,73.895 69.725,73.914 29.865,74.137 66.548,74.117 75.082,74.193 82.486,74.244 81.128,74.27 4.31,74.295 0.721,74.38 73.269,74.701 54.184,74.791 14.072,75.032 79.832,75.069 89.765,75.336 44.196,75.425 84.145,75.611 99.274,75.654 65.075,75.711 26.365,75.841 17.272,76.606 21.234,76.632 70.536,76.648 36.513,76.657 38.761,76.694 35.001,76.913 59.983,76.987 32.633,77.292 52.781,77.673 35.027,77.8 45.314,78.098 41.928,78.133 58.178,78.192 58.778,78.192 61.628,78.192 62.228,78.192 65.077,78.192 65.677,78.192 70.536,78.192 73.816,78.191 93.845,78.207 46.965,78.424 57.302,78.435 17.196,78.631 48.514,78.733 58.178,78.792 58.778,78.792 61.628,78.792 62.228,78.792 65.077,78.792 65.677,78.792 36.5,78.963 38.786,78.994 89.764,79.206 68.521,79.248 0.721,79.38 25.502,80.068 75.653,80.239 56.528,80.442 40.771,80.493 81.026,80.645 99.274,80.654 70.587,80.899 87.986,80.95 91.658,80.95 60.198,81.109 52.805,81.284 65.36,81.787 55.728,82.085 79.752,82.085 31.869,82.222 34.011,82.238 95.961,82.372 69.384,82.398 71.756,82.423 4.549,82.575 10.485,82.594 11.085,82.594 48.616,82.753 91.109,82.809 7.986,82.855 74.693,82.858 10.485,83.194 11.085,83.194 78.054,83.183 19.609,83.26 88.351,83.315 88.951,83.315 89.545,83.315 46.941,83.552 57.023,83.541 88.351,83.915 88.951,83.915 89.545,83.915 40.259,83.97 79.773,84.016 6.325,84.084 0.721,84.38 45.441,84.423 76.784,84.43 88.351,84.515 88.951,84.515 89.545,84.515 70.891,84.531 49.923,84.785 74.676,85.204 7.341,85.242 66.726,85.291 5.461,85.319 57.099,85.319 86.472,85.344 54.686,85.398 81.026,85.496 99.274,85.654 42.799,85.7 69.755,85.827 34.214,86.263 31.826,86.335 22.946,86.944 43.993,87.023 39.7,87.351 48.412,87.42 54.998,87.42 15.697,87.713 25.552,87.833 28.941,88.27 95.961,88.368 42.774,88.392 4.902,88.621 81.858,88.773 0.721,89.38 58.953,89.51 30.474,89.783 69.977,89.764 53.696,89.865 44.882,90.068 48.057,90.137 42.717,90.189 43.317,90.189 49.604,90.17 99.274,90.654 66.996,90.697 20,90.75 64.456,90.729 75,90.75 42.717,90.789 43.317,90.789 15.011,90.932 31.869,91.059 30.15,91.104 92.177,91.126 18.833,91.227 73.833,91.227 9.015,91.262 21.237,91.263 60.63,91.262 76.237,91.263 11.455,91.288 63.221,91.288 88.443,91.288 6.41,91.313 39.827,91.338 25.806,91.364 34.144,91.535 46.228,91.592 28.155,92.134 28.755,92.134 18.275,92.425 73.275,92.425 21.75,92.5 76.75,92.5 70.434,92.685 28.155,92.734 28.755,92.734 56.744,92.862 44.811,93 47.352,93.345 49.555,93.354 18.763,93.737 21.237,93.737 73.763,93.737 76.237,93.737 30.13,93.777 42.833,93.777 26.518,93.802 43.434,93.802 27.102,93.828 66.858,93.929 20,94.25 75,94.25 0.721,94.38 9.246,94.691 78.842,95.428 63.652,95.453 39.732,95.58 99.274,95.654 33.669,95.831 89.002,95.885 0.721,99.278 4.35,99.278 9.35,99.278 14.35,99.278 19.35,99.278 24.35,99.278 29.35,99.278 34.35,99.278 39.35,99.278 44.35,99.278 49.35,99.278 54.35,99.278 59.35,99.278 64.35,99.278 69.35,99.278 74.35,99.278 79.35,99.278 84.35,99.278 89.35,99.278 94.35,99.278 99.248,99.278
I2C_N: C51.2 D4.1 J9.6 R49.1 TP33.1 U10.2 U10.3 | length 21.8
  Top Layer w0.12: R49.1@7.294,76.219 7.294,76.428 6.616,77.106 6.616,77.413 C51.2@7.297,78.094 ; C51.2@7.297,78.191 C51.2@7.297,78.094 ; R49.1@7.327,76.186 6.616,75.476 6.616,74.953 TP33.1@7.275,74.295 7.094,74.295 6.593,73.794 6.593,71.649 6.596,71.646 6.596,71.279 7.441,70.434 U10.3@8.761,70.434 ; J9.6@7.676,86.941 6.591,85.856 6.591,84.925 7.275,84.242 D4.1@7.275,83.82 7.275,78.116 C51.2@7.297,78.094
  Top Layer w0.3: U10.2@8.761,69.164 U10.3@8.761,70.434
I2C_P: C50.2 D4.2 J9.8 R48.1 TP32.1 U10.5 U10.6 | length 21.8
  Top Layer w0.12: U10.6@4.061,70.434 5.381,70.434 6.226,71.279 6.226,71.463 6.223,71.466 6.223,73.794 5.722,74.295 TP32.1@5.588,74.295 6.246,74.953 6.246,75.491 R48.1@5.52,76.217 ; J9.8@5.136,86.941 6.221,85.856 6.221,84.961 5.344,84.084 D4.2@5.344,83.82 5.486,83.678 5.486,78.173 C50.2@5.519,78.14 6.246,77.413 6.246,77.106 5.523,76.382 R48.1@5.523,76.219
  Top Layer w0.3: U10.6@4.061,70.434 U10.5@4.061,71.704
I2C_SCL: R10.1 TP13.1 U4.29 U10.1 | length 43.8
  Top Layer w0.3: U10.1@8.761,67.894 10.119,67.894 TP13.1@12.126,69.901 13.694,71.469 13.929,71.469 36.383,71.469 39.71,68.141 39.71,66.298 40.423,65.585 40.423,65.567 40.955,65.035 R10.1@40.973,65.035 40.461,64.524 U4.29@40.461,58.855
I2C_SDA: R9.1 TP12.1 U4.30 U10.7 | length 45.6
  Top Layer w0.3: U10.7@4.061,69.164 4.735,69.164 7.554,66.345 12.482,66.345 TP12.1@13.447,67.31 15.834,69.698 32.719,69.698 37.381,65.035 R9.1@38.443,65.035 39.661,63.817 U4.30@39.661,58.855
LED_LAMP: J10.4 TP35.1 TVS7.2 U4.25 | length 41.8
  Top Layer w0.3: U4.25@43.661,58.855 43.661,59.409 43.761,59.509 43.808,59.509 48.905,64.606 TP35.1@48.905,68.631 48.905,71.768 51.43,74.293 52.485,74.293 55.296,77.104 55.296,80.493 56.737,81.934 63,81.934 TVS7.2@65.36,84.294
  Top Layer w0.8: J10.4@64.456,86.941 64.456,86.776 65.36,85.873 TVS7.2@65.36,84.294
NetBUZ1_2: BUZ1.2 R27.2 | length 5.1
  Top Layer w0.6: BUZ1.2@8.757,55.727 8.757,58.092 10.278,59.613 10.378,59.613 10.678,59.913 R27.2@10.678,60.013
NetC4_2: C4.2 L2.2 Q1.5 Q1.6 Q1.7 Q1.8 | length 1.9
  Top Layer w1: L2.2@82.158,22.041 82.158,23.765 C4.2@82.256,23.863
NetC6_1: C6.1 R4.2 | length 2
  Top Layer w0.4: C6.1@91.369,53.184 91.445,53.108 R4.2@91.445,51.238
NetC6_2: C6.2 U1.5 | length 3.5
  Top Layer w0.4: U1.5@89.317,53.313 89.317,54.466 89.906,55.055 91.298,55.055 C6.2@91.369,54.984
NetC13_1: C13.1 R7.2 | length 1.8
  Top Layer w0.4: R7.2@92.011,70.527 C13.1@92.011,72.299
NetC13_2: C13.2 U3.5 | length 2.3
  Top Layer w0.4: U3.5@89.959,73.774 89.959,74.007 90.051,74.099 C13.2@92.011,74.099
NetC22_2: C22.2 L5.2 R50.2 | length 3.8
  Top Layer w0.5: R50.2@24.491,53.134 C22.2@24.491,51.213 24.491,49.438 L5.2@24.589,49.34
NetC26_2: C26.2 R13.1 Y1.2 | length 4.4
  Top Layer w0.254: R13.1@30.36,57.835 30.322,57.873 Y1.2@30.322,60.061 30.411,60.15 C26.2@30.411,62.188
NetC30A_1: C30A.1 R20A.2 R21A.1 | length 3.9
  Top Layer w0.5: R21A.1@2.203,26.073 2.206,26.069 R20A.2@2.206,22.18
NetC30A_2: C30A.2 U5A.5 U5A.13 U5A.14 | length 13.6
  Top Layer w0.5: C30A.2@4.003,24.101 4.279,24.377 5.751,24.377 ; U5A.14@5.733,26.98 5.733,24.395 5.751,24.377 ; U5A.13@7.003,26.98 7.003,24.395 7.021,24.377 ; U5A.5@10.813,22.18 10.794,22.2 10.794,23.068 9.484,24.377 7.021,24.377 ; 5.751,24.377 7.021,24.377
NetC30B_1: C30B.1 R20B.2 R21B.1 | length 3.9
  Top Layer w0.5: R21B.1@24.544,26.378 24.547,26.374 R20B.2@24.547,22.485
NetC30B_2: C30B.2 U5B.5 U5B.13 U5B.14 | length 13.6
  Top Layer w0.5: C30B.2@26.344,24.406 26.62,24.682 28.091,24.682 ; U5B.14@28.074,27.285 28.074,24.699 28.091,24.682 ; U5B.13@29.344,27.285 29.344,24.699 29.361,24.682 ; U5B.5@33.154,22.485 33.135,22.504 33.135,23.372 31.825,24.682 29.361,24.682 ; 28.091,24.682 29.361,24.682
NetC32A_2: C32A.2 R21A.2 U5A.12 | length 7.8
  Top Layer w0.5: R21A.2@4.003,26.073 C32A.2@4.003,27.994 4.003,28.067 4.349,28.413 4.422,28.413 4.755,28.746 7.364,28.746 8.254,27.856 8.254,27 U5A.12@8.273,26.98
NetC32B_2: C32B.2 R21B.2 U5B.12 | length 7.8
  Top Layer w0.5: R21B.2@26.344,26.378 C32B.2@26.344,28.298 26.344,28.371 26.69,28.718 26.763,28.718 27.096,29.051 29.705,29.051 30.595,28.161 30.595,27.304 U5B.12@30.614,27.285
NetD1_1: D1.1 Q1.4 R3.2 | length 7.9
  Top Layer w0.5: R3.2@72.121,22.589 72.121,24.79 D1.1@72.095,24.815 73.22,25.94 Q1.4@77.315,25.94
NetD5_2: D5.2 R51.2 | length 2
  Top Layer w0.4: R51.2@76.618,60.292 78.55,60.292 D5.2@78.565,60.277
NetD7_1: D7.1 Q2.1 R25.1 | length 5.3
  Top Layer w0.6: Q2.1@89.079,26.933 89.079,26.135 90.618,24.596 90.755,24.596 D7.1@91.005,24.346 91.032,24.319 R25.1@91.032,22.504
NetD7_2: D7.2 D8.1 | length 1.7
  Top Layer w0.6: D7.2@91.005,27.419 D8.1@91.005,29.146
NetD8_2: D8.2 Q4.1 Q5.3 | length 6.3
  Top Layer w0.6: Q5.3@89.078,34.925 89.738,34.925 91.005,33.658 D8.2@91.005,32.22 89.849,31.063 Q4.1@89.079,31.063
NetD9_1: D9.1 Q7.1 R36.1 | length 5.3
  Top Layer w0.6: Q7.1@65.236,33.971 65.236,33.386 66.814,31.808 66.907,31.808 D9.1@67.157,31.558 67.169,31.546 D9.1@67.169,31.483 ; D9.1@67.154,31.468 D9.1@67.169,31.483 ; R36.1@67.19,29.696 R36.1@67.169,29.718 ; R36.1@67.194,29.743 R36.1@67.169,29.718 ; D9.1@67.234,31.548 D9.1@67.169,31.483 ; R36.1@67.169,29.718 D9.1@67.169,31.483
NetD9_2: D9.2 D10.1 | length 1.7
  Top Layer w0.6: D9.2@67.157,34.632 D10.1@67.157,36.349
NetD10_2: D10.2 Q9.3 Q10.1 | length 5
  Top Layer w0.6: Q9.3@65.211,40.759 65.82,40.759 D10.2@67.157,39.423 65.966,38.232 65.236,38.232 Q10.1@65.236,38.102
NetD11_2: D11.2 R42.2 TP28.1 U7.1 | length 6.3
  Top Layer w0.3: R42.2@48.616,16.851 48.616,21.082 48.616,22.77 U7.1@48.854,23.008
NetD12_2: D12.2 R43.2 TP29.1 U8.1 | length 10.5
  Top Layer w0.3: U8.1@43.674,23.008 43.409,22.743 TP29.1@43.409,19.202 43.409,15.262 R43.2@45.263,13.408
NetD13_2: D13.2 R47.2 TP30.1 U9.1 | length 7.7
  Top Layer w0.3: R47.2@53.77,15.444 53.77,22.744 U9.1@54.034,23.008
NetL1_1: L1.1 U1.8
NetL3_1: L3.1 U3.8
NetQ2_2: Q2.2 Q4.2 R26.2 TP17.1 | length 14.2
  Top Layer w0.6: R26.2@87.147,16.815 87.149,16.816 TP17.1@87.149,23.034 Q2.2@87.149,26.933 Q4.2@87.149,31.063
NetQ3_4: Q3.4 R26.1 | length 2.9
  Top Layer w0.6: R26.1@89.941,16.815 92.817,16.815 Q3.4@92.817,16.834
NetQ5_1: Q5.1 R28.2 R30.2 | length 3.5
  Top Layer w0.4: R28.2@86.578,37.611 88.353,37.611 R30.2@88.451,37.709 ; Q5.1@86.665,35.89 R28.2@86.665,37.524
NetQ6_1: Q6.1 R29.2 R31.2 | length 4.1
  Top Layer w0.5: Q6.1@16.977,58.748 16.977,56.686 16.977,54.733 R29.2@17.057,54.654
NetQ6_3: Q6.3 R27.1 | length 6
  Top Layer w0.6: R27.1@12.478,60.013 12.478,60.113 12.778,60.413 12.878,60.413 13.626,61.161 Q6.3@17.943,61.161
NetQ7_2: Q7.2 Q10.2 R37.2 TP26.1 | length 14.1
  Top Layer w0.6: R37.2@62.544,24.653 62.117,25.079 TP26.1@62.117,27.493 62.117,31.254 63.306,32.442 Q7.2@63.306,33.971 Q10.2@63.306,38.102
NetQ8_4: Q8.4 R37.1 | length 1.8
  Top Layer w0.8: 65.303,22.835 65.338,22.869 R37.1@65.338,24.653
NetQ9_1: Q9.1 R38.2 R39.2 | length 3.7
  Top Layer w0.4: Q9.1@62.798,41.724 62.798,43.318 62.925,43.445 R39.2@64.896,43.445
NetQ11_1: Q11.1 R54.1 | length 2.9
  Top Layer w0.4: R54.1@49.962,83.512 50.103,83.371 50.445,83.371 51.84,81.976 Q11.1@51.84,81.59
NetQ11_2: Q11.2 R53.1 R55.1 | length 4.9
  Top Layer w0.3: R55.1@51.293,77.694 51.293,77.713 51.824,78.244 51.843,78.244 52.305,78.706 52.305,79.585 R53.1@52.461,79.742 53.628,80.909 53.628,81.448 Q11.2@53.77,81.59
NetR15A_2: R15A.2 R16A.1 U5A.6 | length 6.3
  Top Layer w0.5: U5A.6@12.083,22.18 12.102,22.161 12.102,21.299 13,20.401 17.122,20.401 R15A.2@17.151,20.372
NetR15B_2: R15B.2 R16B.1 U5B.6 | length 6.3
  Top Layer w0.5: U5B.6@34.424,22.485 34.443,22.466 34.443,21.579 35.345,20.677 R15B.2@39.491,20.677
NetR16A_2: R16A.2 R18A.1 U5A.7 | length 7.2
  Top Layer w0.3: R16A.2@15.598,22.588 17.059,24.048 R18A.1@17.059,26.42
  Top Layer w0.5: U5A.7@13.353,22.18 15.167,22.18 R16A.2@15.179,22.169 15.252,22.169 15.598,22.515 R16A.2@15.598,22.588 ; R18A.1@17.059,26.42 R18A.1@17.262,26.623
NetR16B_2: R16B.2 R18B.1 U5B.7 | length 7.2
  Top Layer w0.3: R16B.2@37.939,22.893 39.399,24.353 R18B.1@39.399,26.725
  Top Layer w0.5: U5B.7@35.694,22.485 37.508,22.485 R16B.2@37.52,22.474 37.593,22.474 37.939,22.82 R16B.2@37.939,22.893 ; R18B.1@39.399,26.725 R18B.1@39.603,26.928
NetR17A_1: R17A.1 R18A.2 U5A.9 | length 8.1
  Top Layer w0.3: U5A.9@12.083,26.98 12.102,26.961 12.102,25.741 12.475,25.368 14.206,25.368 15.043,26.204 15.116,26.204 15.462,26.55 R18A.2@15.462,26.623 15.462,29.008 R17A.1@15.153,29.316
NetR17A_2: R17A.2 R19A.1 U5A.8 | length 4.2
  Top Layer w0.5: U5A.8@13.353,26.98 R17A.2@13.353,29.316 R19A.1@13.353,31.181
NetR17B_1: R17B.1 R18B.2 U5B.9 | length 8.1
  Top Layer w0.3: U5B.9@34.424,27.285 34.443,27.266 34.443,26.045 34.816,25.673 36.547,25.673 37.383,26.509 37.456,26.509 37.803,26.855 R18B.2@37.803,26.928 37.803,29.312 R17B.1@37.494,29.621
NetR17B_2: R17B.2 R19B.1 U5B.8 | length 4.2
  Top Layer w0.5: U5B.8@35.694,27.285 R17B.2@35.694,29.621 R19B.1@35.694,31.486
NetR20A_1: R20A.1 U5A.1 U5A.2 | length 3
  Top Layer w0.5: R20A.1@4.006,22.18 U5A.1@5.733,22.18 U5A.2@7.003,22.18
NetR20B_1: R20B.1 U5B.1 U5B.2 | length 3
  Top Layer w0.5: R20B.1@26.347,22.485 U5B.1@28.074,22.485 U5B.2@29.344,22.485
NetR22A_2: R22A.2 R23A.1 U5A.10 | length 9
  Top Layer w0.5: R22A.2@10.805,29.218 10.805,26.988 U5A.10@10.813,26.98 10.813,25.406 11.643,24.576 R23A.1@15.636,24.576
NetR22B_2: R22B.2 R23B.1 U5B.10 | length 9
  Top Layer w0.5: R22B.2@33.146,29.523 33.146,27.293 U5B.10@33.154,27.285 33.154,25.71 33.984,24.88 R23B.1@37.977,24.88
NetR52_1: R52.1 SW1.1 SW1.2 | length 8.8
  Top Layer w0.4: SW1.1@31.419,74.348 SW1.1@31.409,74.337 31.409,76.622 R52.1@31.435,76.648
  Bottom Layer w0.4: SW1.2@31.409,67.837 SW1.1@31.409,74.337
nRESET: C20.2 D6.1 J3.3 R12.1 SW1.3 SW1.4 TP40.1 TVS3.4 U4.4 | length 61.4
  Top Layer w0.3: R12.1@26.909,62.665 TP40.1@26.909,58.951 29.5,56.36 32.65,56.36 33.726,55.284 C20.2@33.726,55.055 U4.4@36.661,55.055 ; SW1.3@26.909,74.337 28.536,74.337 30.033,72.84 v1(41.031,72.84) ; v1(50.467,71.679) 54.184,67.962 54.184,67.493 TVS3.4@54.351,67.326 54.382,67.357 55.458,67.357 56.956,68.854 J3.3@57.597,68.854
  Top Layer w0.4: R12.1@26.909,62.665 D6.1@26.909,65.043 SW1.4@26.909,67.837
  Bottom Layer w0.3: v1(41.031,72.84) 49.305,72.84 v1(50.467,71.679)
  Bottom Layer w0.4: SW1.4@26.909,67.837 SW1.3@26.909,74.337
O_WIRE: J11.3 R11.2 TP37.1 TVS9.2 U4.28 | length 41.2
  Top Layer w0.3: U4.28@41.261,58.855 41.261,62.745 R11.2@43.552,65.035 ; R11.2@43.571,65.035 R11.2@43.552,65.035 ; TVS9.2@48.824,91.627 TP37.1@48.824,89.071 46.191,86.437 46.191,76.139 42.301,72.25 42.301,66.305 43.021,65.585 43.021,65.567 R11.2@43.552,65.035
  Top Layer w0.8: J11.3@48.441,95.756 48.441,92.011 TVS9.2@48.824,91.627
OSC_IN: C25.2 U4.2 Y1.1 | length 8.3
  Top Layer w0.3: C25.2@32.702,62.188 32.702,60.196 33.095,59.802 33.095,58.661 33.473,58.283 33.473,57.947 34.765,56.655 U4.2@36.661,56.655
OSC_OUT: R13.2 U4.3 | length 5.3
  Top Layer w0.3: R13.2@32.16,57.835 32.589,57.407 33.152,57.407 34.665,55.893 36.623,55.893 U4.3@36.661,55.855